# KiCad board Neptune.kicad_pcb (continued)
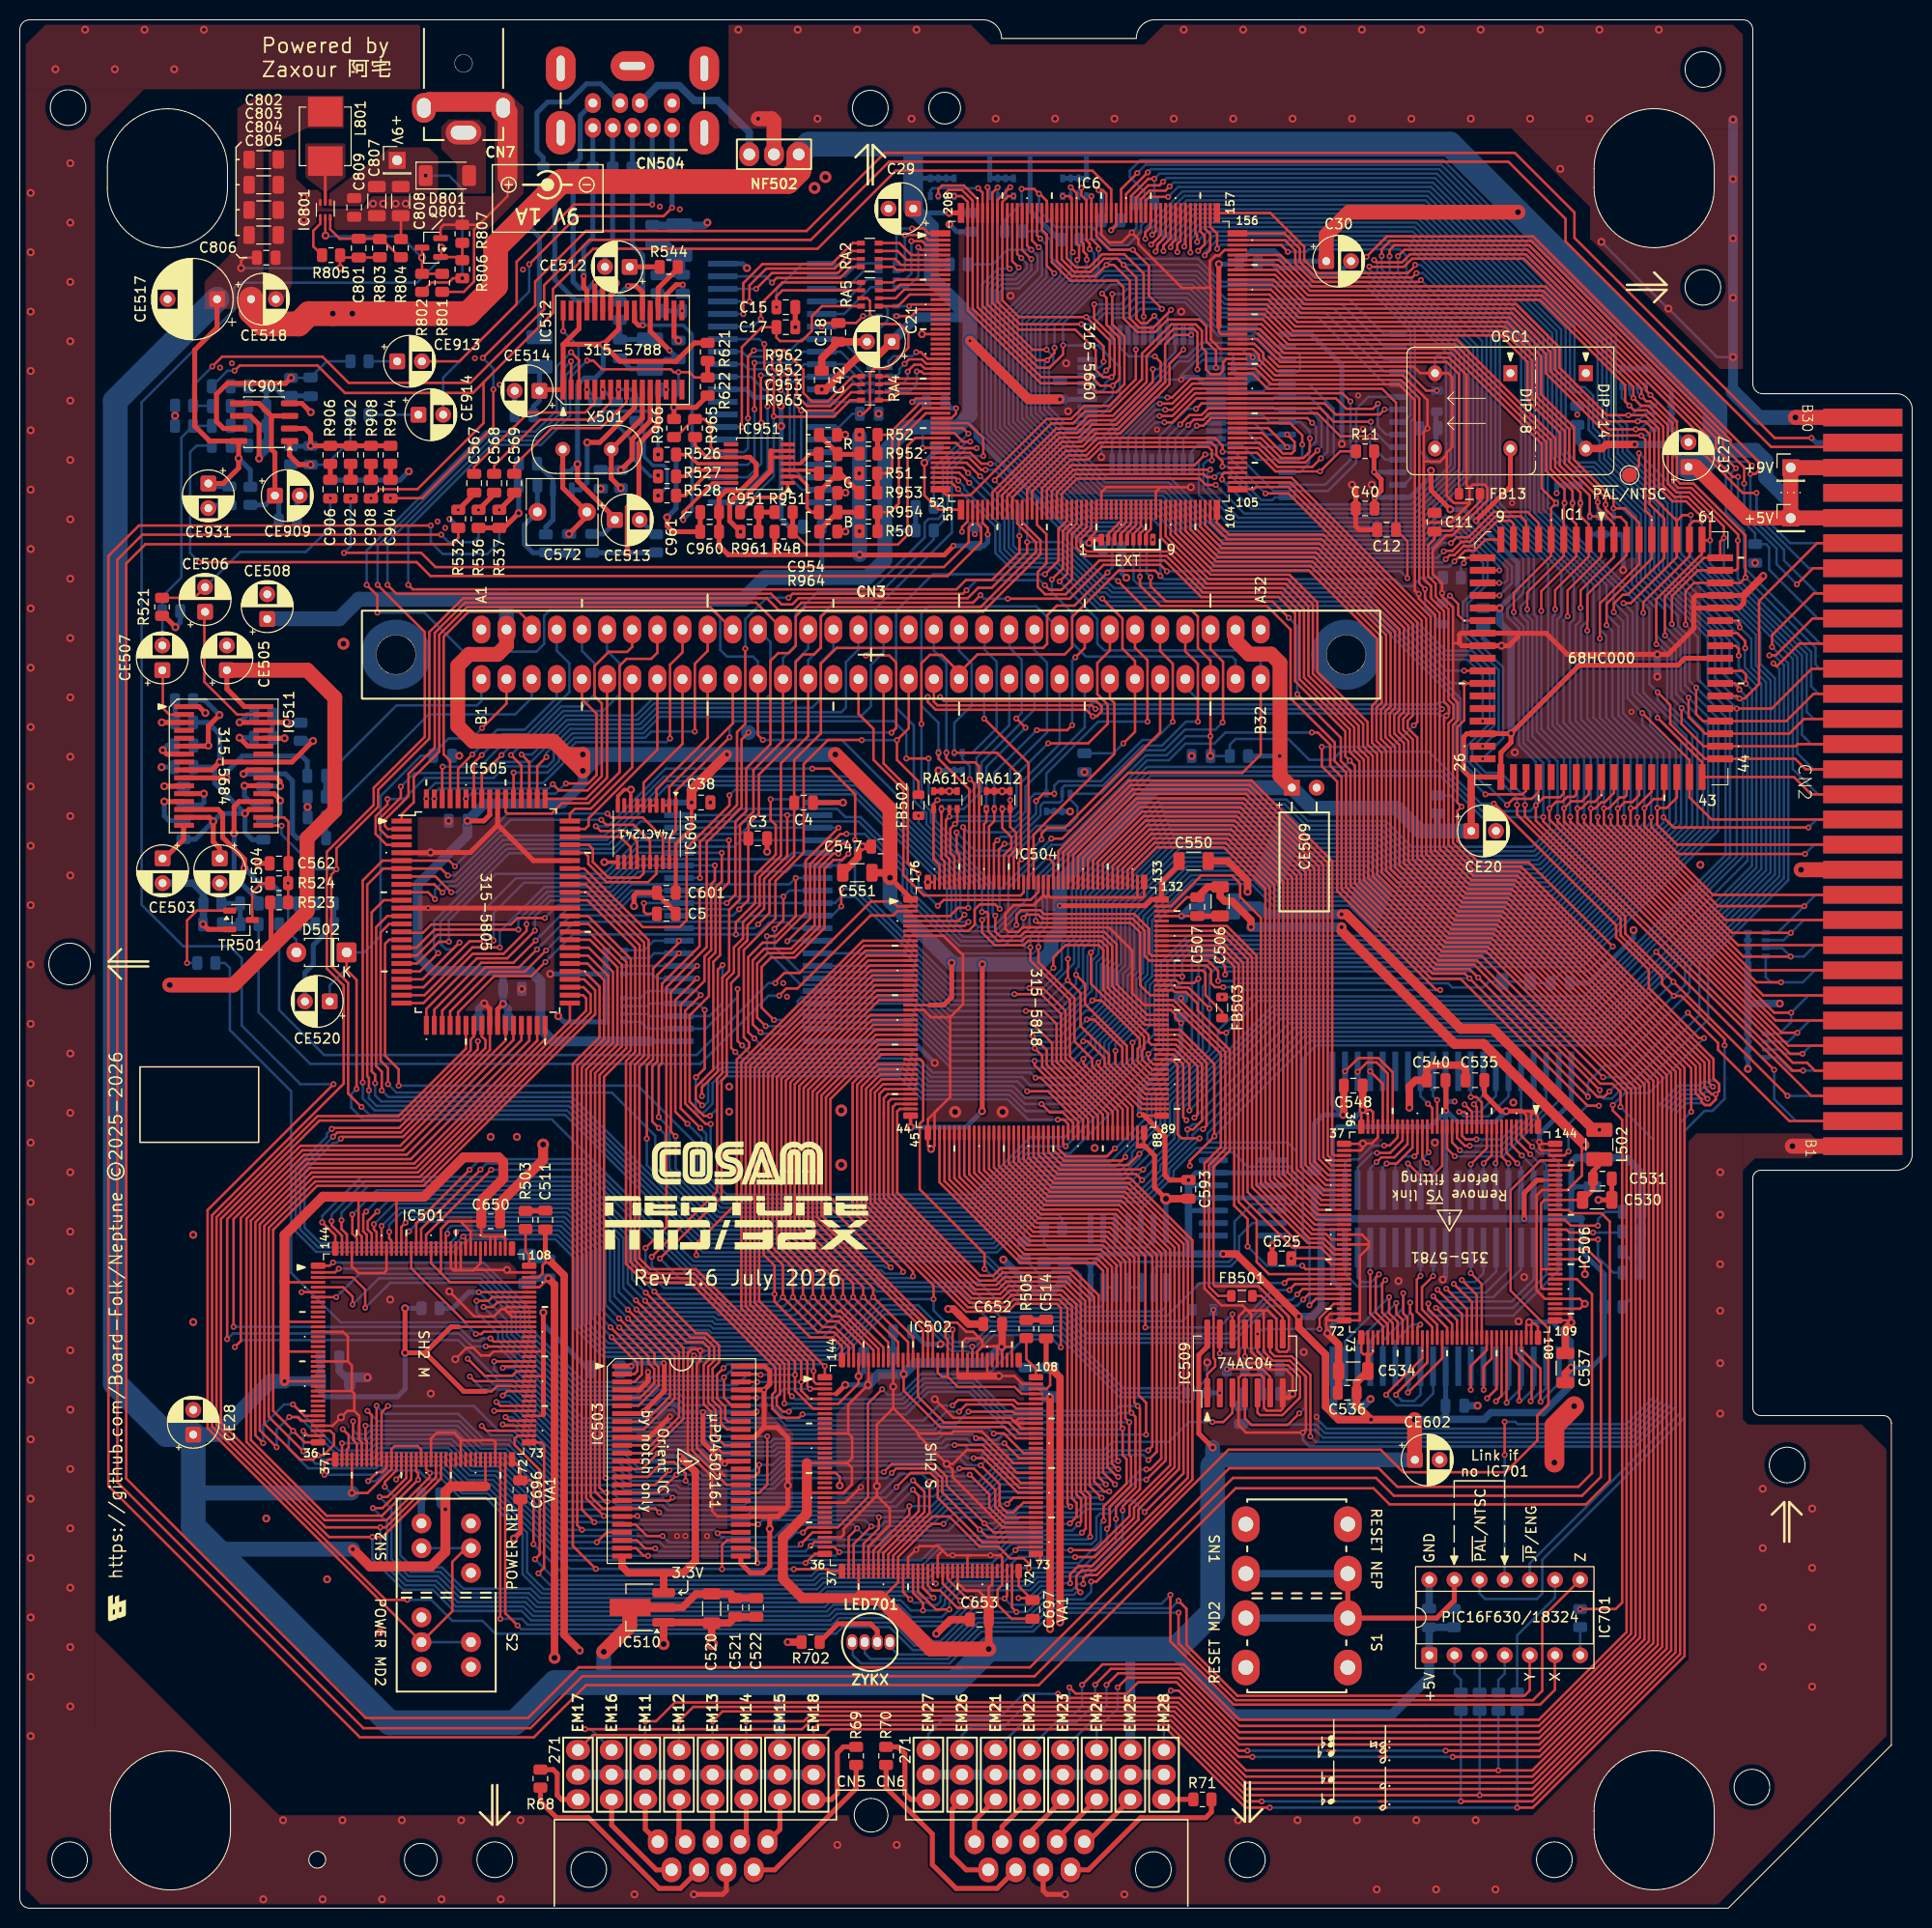
[diagram p0: board, top side]
## Routing (per net, layer and track width the routed paths; a pad name or vN(x,y) marks a point on that pad's centre or on a via; arc(x,y) is an arc through that point) (continued)
3BP_VIDEO_B: length 6.3
  Top w0.35: IC951.13 69.17,144.73 67.25,142.8 R528.1
3BP_VIDEO_G: length 5.8
  Top w0.35: R527.1 67.4,144.75 68.03,145.38 IC951.12
3BP_VIDEO_R: length 5.9
  Top w0.35: IC951.11 68.47,146.03 67.55,146.95 R526.1
/32X Main 2/ED0: length 11.7
  Top w0.25: v1(153.65,51.2) 153.64,51.21 153.64,54.56 151.71,56.49 IC506.105
  Bottom w0.25: v1(153.65,51.2) 155.49,53.05 IC508.2
/32X Main 2/ED1: length 11.5
  Top w0.25: v1(152.65,51.25) 152.75,51.35 152.75,54.6 151.21,56.14 IC506.104
  Bottom w0.25: v1(152.65,51.25) 153.6,52.2 153.85,52.2 154.22,52.58 IC508.3
/32X Main 2/ED2: length 11
  Top w0.25: v1(151.5,51.3) 151.5,54.85 150.71,55.64 IC506.103
  Bottom w0.25: v1(151.5,51.3) 151.75,51.3 152.96,52.5 IC508.4
/32X Main 2/ED3: length 10.9
  Top w0.25: IC506.102 150.21,51.11 v1(150.22,51.1)
  Bottom w0.25: 151.68,54.8 151.68,52.56 v1(150.22,51.1)
/32X Main 2/ED4: length 10.7
  Top w0.25: v1(149.15,51.25) 149.71,51.81 IC506.101
  Bottom w0.25: v1(149.15,51.25) 150.41,52.52 IC508.6
/32X Main 2/ED5: length 10.2
  Top w0.25: v1(148.25,51.55) 149.21,52.51 IC506.100
  Bottom w0.25: v1(148.25,51.55) 149.15,52.44 IC508.7
/32X Main 2/ED6: length 8
  Top w0.25: v1(147.9,52.4) 147.9,54.75 148.71,55.56 IC506.99
  Bottom w0.25: IC508.8 147.9,54.78 v1(147.9,52.4)
/32X Main 2/ED7: length 8.4
  Top w0.25: v1(146.6,52.4) 146.6,54.8 148.21,56.41 IC506.98
  Bottom w0.25: IC508.9 146.6,54.8 v1(146.6,52.4)
/32X Main 2/ED8: length 9.6
  Top w0.25: v1(146.6,64.2) 147.71,63.09 IC506.97
  Bottom w0.25: v1(146.6,64.2) 146.6,64.6 146.6,64.61 IC508.32
/32X Main 2/ED9: length 11.7
  Top w0.25: v1(145.7,63.5) 147.21,61.99 IC506.96
  Bottom w0.25: v1(145.7,63.5) 145.9,63.3 147,63.3 147.87,64.18 IC508.33
/32X Main 2/ED10: length 13.8
  Top w0.25: IC506.95 146.71,61.29 v1(144.89,63.11)
  Bottom w0.25: IC508.34 149.15,64.34 147.47,62.68 145.33,62.68 v1(144.89,63.11)
/32X Main 2/ED11: length 15.5
  Top w0.25: IC506.94 146.21,60.54 v1(144.13,62.63)
  Bottom w0.25: v1(144.13,62.63) 144.53,62.22 148.12,62.22 150.41,64.52 IC508.35
/32X Main 2/ED12: length 18
  Top w0.25: IC506.93 145.71,60.05 v1(143.24,62.52)
  Bottom w0.25: 151.68,66.8 151.68,64.59 148.87,61.78 143.99,61.78 v1(143.24,62.52)
/32X Main 2/ED13: length 19.7
  Top w0.25: IC506.92 145.21,59.44 v1(142.81,61.85)
  Bottom w0.25: IC508.37 152.96,63.56 150.72,61.33 143.33,61.33 v1(142.81,61.85)
/32X Main 2/ED14: length 19
  Top w0.25: v1(143.09,60.69) 144.71,59.06 IC506.91
  Bottom w0.25: v1(143.09,60.69) 150.89,60.69 154.22,64.03 IC508.38
/32X Main 2/ED15: length 22.6
  Top w0.25: IC506.90 144.21,58.67 142.31,60.57 v1(142.31,61.12)
  Bottom w0.25: IC508.39 155.49,64.5 150.9,59.9 142.8,59.9 142.31,60.39 v1(142.31,61.12)
/32X Main 2/OD0: length 8.6
  Top w0.25: IC506.4 151.71,78.09 v1(152.81,76.99)
  Bottom w0.25: IC507.2 155.49,75.33 154.53,76.29 153.51,76.29 v1(152.81,76.99)
/32X Main 2/OD1: length 8
  Top w0.25: v1(152.62,76.21) 151.21,77.61 IC506.5
  Bottom w0.25: IC507.3 154.22,75.12 153.86,75.48 153.35,75.48 v1(152.62,76.21)
/32X Main 2/OD2: length 7.3
  Top w0.25: v1(151.76,76.09) 150.71,77.14 IC506.6
  Bottom w0.25: IC507.4 152.95,74.9 v1(151.76,76.09)
/32X Main 2/OD3: length 7
  Top w0.25: v1(151.3,75.3) 150.21,76.39 IC506.7
  Bottom w0.25: v1(151.3,75.3) 151.68,74.92 IC507.5
/32X Main 2/OD4: length 6.7
  Top w0.25: IC506.8 149.71,75.99 v1(150.4,75.3)
  Bottom w0.25: IC507.6 150.41,75.29 v1(150.4,75.3)
/32X Main 2/OD5: length 6.5
  Top w0.25: v1(149.1,75.3) 149.21,75.41 IC506.9
  Bottom w0.25: IC507.7 149.14,75.26 v1(149.1,75.3)
/32X Main 2/OD6: length 6.8
  Top w0.25: v1(147.9,75.3) 148.71,76.11 IC506.10
  Bottom w0.25: IC507.8 147.87,75.27 v1(147.9,75.3)
/32X Main 2/OD7: length 7.1
  Top w0.25: v1(146.6,75.2) 148.21,76.81 IC506.11
  Bottom w0.25: IC507.9 v1(146.6,75.2)
/32X Main 2/OD8: length 6.4
  Top w0.25: IC506.12 147.71,81.46 147.17,82 v1(146.6,82)
  Bottom w0.25: v1(146.6,82) IC507.32
/32X Main 2/OD9: length 6.1
  Top w0.25: IC506.13 147.21,80.97 v1(146.91,81.27)
  Bottom w0.25: IC507.33 147.87,82.22 v1(146.91,81.27)
/32X Main 2/OD10: length 9.2
  Top w0.25: v1(145.97,81.25) 146.71,80.51 IC506.14
  Bottom w0.25: v1(145.97,81.25) 146.72,80.5 147.53,80.5 149.14,82.12 IC507.34
/32X Main 2/OD11: length 10.7
  Top w0.25: v1(145.42,80.5) 145.95,80.5 146.21,80.24 IC506.15
  Bottom w0.25: v1(145.42,80.5) 145.87,80.05 148.4,80.05 150.41,82.06 IC507.35
/32X Main 2/OD12: length 12.7
  Top w0.25: v1(147.18,77.72) 146.08,77.72 145.71,78.09 IC506.16
  Bottom w0.25: IC507.36 151.68,79.74 149.66,77.72 v1(147.18,77.72)
/32X Main 2/OD13: length 14.8
  Top w0.25: IC506.17 145.21,77.86 146,77.08 v1(146.5,77.08)
  Bottom w0.25: v1(146.5,77.08) 149.65,77.08 152.95,80.37 IC507.37
/32X Main 2/OD14: length 17
  Top w0.25: IC506.18 144.71,77.41 v1(145.5,76.62)
  Bottom w0.25: IC507.38 154.22,81.01 149.66,76.45 145.67,76.45 v1(145.5,76.62)
/32X Main 2/OD15: length 19.1
  Top w0.25: v1(144.98,76.02) 144.21,76.78 IC506.19
  Bottom w0.25: IC507.39 155.49,81.64 149.85,76 145,76 v1(144.98,76.02)
/Misc/~{PWR_EN}: length 218.2
  Top w0.25: 45.58,36.9 43.7,35.02 43.7,30.02 S2.2 40.58,26.91 18.97,48.52 18.97,70.58 v1(31.7,83.3) ; v2(42.6,167.88) 42.6,167 Q801.1 44.39,166.92 R806.2 R807.1
  Bottom w0.25: v2(42.6,167.88) 42.6,166.8 40.12,164.32 22.17,164.32 21.65,163.8 21.65,161.57 12.3,152.23 12.3,101.45 16.5,97.25 21.2,97.25 22.42,96.03 22.42,89.22 28.35,83.3 v1(31.7,83.3) ; S2.2 S2.2 ; SN2.2 SN2.2
AD0: length 26.7
  Top w0.25: v1(73.57,150.62) 73.57,156.88 v1(74.17,157.48)
  Bottom w0.25: v1(74.17,157.48) 77.85,157.48 79,158.62 IC7.7 82.95,158.62 84.65,156.93 85.53,156.93 85.97,156.48 RA6.4 ; IC7.25 73.16,147.19 73.57,147.6 v1(73.57,150.62)
AD1: length 26.3
  Top w0.25: v1(74.22,151.53) v1(74.22,156.23)
  Bottom w0.25: IC7.24 73.56,145.92 74.22,146.59 v1(74.22,151.53) ; v1(74.22,156.23) 78.03,156.23 79.15,157.35 IC7.8 82.95,157.35 85.35,154.95 RA6.3
AD2: length 25.8
  Top w0.25: v1(74.92,150.18) 74.88,150.23 v1(74.88,154.95)
  Bottom w0.25: v1(74.88,154.95) 78.1,154.95 79.23,156.08 IC7.9 83.32,156.08 85.25,154.15 RA6.2 ; IC7.23 73.53,144.65 74.92,146.04 v1(74.92,150.18)
AD3: length 25.5
  Top w0.25: v1(75.55,151.82) v1(75.55,154.28)
  Bottom w0.25: v1(75.55,151.82) 75.55,145.37 73.56,143.38 IC7.22 ; v1(75.55,154.28) 75.59,154.31 78.69,154.31 79.19,154.81 IC7.10 83.72,154.81 85.17,153.35 RA6.1
AD4: length 37.1
  Top w0.25: RA4.1 84.17,154.85 81.62,152.3 80.05,152.3 79.17,153.18 79.17,155.53 77.2,157.5 76.38,157.5 76,157.12 76,155.7 76.87,154.83 v1(76.87,153.48)
  Bottom w0.25: IC7.19 79.04,143.38 77.8,144.62 77.8,152.55 v1(76.87,153.48) 75.2,153.48 73.86,154.81 IC7.31
AD5: length 28.4
  Top w0.25: v1(77.75,155.57) 78.5,154.82 v1(78.5,152.9) 79.55,151.85 81.88,151.85 84.07,154.05 RA4.2
  Bottom w0.25: v1(78.5,152.9) 78.25,152.65 78.25,145.45 79.05,144.65 IC7.18 ; v1(77.75,155.57) 73.6,155.57 73.09,156.08 IC7.32
AD6: length 26.6
  Top w0.25: v1(76.85,156.85) 76.85,155.57 77.6,154.82 77.6,152.75 v1(78.95,151.4) 82.15,151.4 84,153.25 RA4.3
  Bottom w0.25: v1(76.85,156.85) 73.47,156.85 72.97,157.35 IC7.33 ; IC7.17 79.23,145.92 78.95,146.2 v1(78.95,151.4)
AD7: length 34
  Top w0.25: RA4.4 83.9,152.45 82.22,150.78 76.22,150.78 v1(76.17,150.82) 76.17,154.7 75.22,155.65 v1(75.22,158.12)
  Bottom w0.25: IC7.21 73.53,142.11 76.17,144.75 v1(76.17,150.82) ; IC7.34 74.72,158.62 v1(75.22,158.12)
BFP: length 322.1
  Top w0.25: v1(36.15,133.78) 40.92,129 40.92,118.43 35.75,113.26 35.75,111.53 31.03,106.8 31.03,94.97 32.72,93.28 32.72,83.35 19.42,70.05 19.42,48.7 36.95,31.18 v1(39.15,31.18) ; 155.12,75.6 153.65,75.6 150.62,72.58 150.62,62.43 154.45,58.61 154.45,50.93 153.33,49.8 153.33,47.28 150.12,44.08 139.78,44.08 137.5,46.35 122.12,46.35 108.79,33.02 v1(108.25,33.02) ; v1(55.7,156.38) 55.7,156.38 IC512.2
  Bottom w0.25: v1(39.15,31.18) 41.57,31.18 43.7,29.05 46.75,29.05 48.05,27.75 82.47,27.75 83.14,28.43 87.89,28.43 90.22,26.1 93.39,26.1 96.62,29.33 101.82,29.33 103.72,31.22 107.5,31.22 108.25,31.97 v1(108.25,33.02) ; v1(36.15,133.78) 36.15,137.71 47.26,148.82 52.29,148.82 54.7,151.24 54.7,155.38 v1(55.7,156.38)
CTA1: length 68.6
  Top w0.25: IC505.4 37.06,107.5 35.95,108.6 35.95,110.38 37.16,111.58 v1(37.16,112.12)
  Bottom w0.25: v1(37.16,112.12) 38.79,112.12 40.93,114.26 47.87,114.26 49.03,115.43 53.31,115.43 53.95,116.07 53.95,116.91 55.82,118.78 63,118.78 64.67,120.45 84.95,120.45 86,121.5 86,125.7 87.28,126.98 CN3.a17
CTA2: length 61.3
  Top w0.25: IC505.3 37.16,108.3 36.41,109.05 36.41,110.19 38.5,112.28 v1(38.5,113.38)
  Bottom w0.25: v1(38.5,113.38) 39.88,114.75 47.12,114.75 48.25,115.88 51.65,115.88 55.45,119.68 62.62,119.68 64.3,121.35 80.05,121.35 80.92,122.22 80.92,125.92 82.2,127.2 CN3.a15
CTA3: length 61
  Top w0.25: IC505.2 37.18,109.1 36.88,109.4 36.88,110.03 39.28,112.42 39.28,114.68 41.92,117.33 41.92,128.92 44.98,131.98 74.4,131.98 CN3.a13
CTA4: length 52.2
  Top w0.25: CN3.a11 69.77,131.53 45.16,131.53 42.38,128.74 42.38,116.91 39.8,114.34 39.8,111.8 38.58,110.58 IC505.1
CTA5: length 39.6
  Top w0.25: v1(65.7,118.25) 65.7,125.7 66.96,126.96 CN3.a9
  Bottom w0.25: v1(65.7,118.25) 65.32,117.88 56.19,117.88 55,116.68 55,115.85 52.9,113.75 41.98,113.75 41.08,112.85 v1(41.08,112.15)
CTA6: length 36.5
  Top w0.25: CN3.a7 61.88,127.51 61.36,127 59.5,127 58.07,125.57 58.07,122.52 58.8,121.79 58.8,114.43 57.37,113 54.48,113 v1(53.85,113.62)
  Bottom w0.25: v1(53.85,113.62) 53.43,113.2 42.38,113.2 41.88,112.7 v1(41.88,112.15)
CTA7: length 28.7
  Top w0.25: v1(42.72,115.4) 42.68,115.36 IC505.78
  Bottom w0.25: v1(42.72,115.4) 46.5,115.4 49.33,118.23 51.46,118.23 54.7,121.48 56.84,121.48 58.06,122.7 58.06,125.84 56.8,127.1 CN3.a5
CTA8: length 27.7
  Top w0.25: CN3.a3 51.72,129.78 50.42,131.07 45.35,131.07 42.82,128.55 42.82,116.65 43.48,116 IC505.77
CTA9: length 17.9
  Top w0.25: IC505.76 44.28,115.18 v1(45.72,116.62)
  Bottom w0.25: v1(45.72,116.62) 48.23,119.13 51.01,119.13 54.26,122.38 CN3.b4
CTA10: length 24.5
  Top w0.25: v1(55.18,113.7) 57.43,113.7 58.27,114.54 58.27,120.75 56.8,122.22 CN3.b5
  Bottom w0.25: 55.16,113.7 54.13,112.68 45.6,112.68 v1(45.08,112.15)
CTA11: length 23.1
  Top w0.25: IC505.74 45.88,115.78 v1(46.67,116.58)
  Bottom w0.25: v1(46.67,116.58) 48.78,118.68 51.27,118.68 55.53,122.94 55.53,125.84 54.26,127.12 CN3.a4
CTA12: length 26.8
  Top w0.25: IC505.73 46.68,114.58 v1(48.67,116.58)
  Bottom w0.25: CN3.a6 59.34,127.11 60.62,125.83 60.62,122.72 58.92,121.03 54.89,121.03 51.64,117.78 49.88,117.78 v1(48.67,116.58)
CTA13: length 32.1
  Top w0.25: CN3.a8 64.42,126.92 63.8,126.3 61.3,126.3 60.6,125.6 60.6,114.83 57.47,111.7 54.78,111.7 53.74,110.66 49.26,110.66 49.08,110.84 IC505.70
CTA14: length 34
  Top w0.25: IC505.69 49.89,112.16 v1(49.89,114.8) ; v1(68.2,118.95) 68.2,125.8 69.5,127.1 CN3.a10
  Bottom w0.25: v1(49.89,114.8) 53.32,114.8 54.48,115.96 54.48,116.8 56.01,118.33 63.18,118.33 63.81,118.95 v1(68.2,118.95)
CTA15: length 40.7
  Top w0.25: IC505.68 50.68,115.52 v1(49.62,116.58)
  Bottom w0.25: CN3.a12 75.85,127.99 75.85,122.75 75.35,122.25 63.92,122.25 62.25,120.58 55.07,120.58 51.83,117.33 50.38,117.33 v1(49.62,116.58)
CTA16: length 42.3
  Top w0.25: v1(50.7,116.63) 51.48,115.85 IC505.67
  Bottom w0.25: v1(50.7,116.63) 51.76,116.63 55.26,120.12 62.44,120.12 64.11,121.8 77.82,121.8 78.38,122.36 78.38,126.06 79.66,127.33 CN3.a14
CTA17: length 45.6
  Top w0.25: IC505.66 52.28,115.45 v1(53.2,116.38)
  Bottom w0.25: CN3.a16 84.74,127.24 83.47,125.97 83.47,121.37 83,120.9 64.48,120.9 62.81,119.23 55.63,119.23 53.2,116.8 v1(53.2,116.38)
CTA18: length 17.1
  Top w0.25: IC505.65 57.21,112.15 59.34,114.28 CN3.b6
CTA19: length 17.9
  Top w0.25: IC505.64 55.58,110.65 56.08,111.15 57.7,111.15 61.88,115.33 CN3.b7
CTA20: length 19.7
  Top w0.25: CN3.b8 64.42,117.13 57.47,110.18 57.47,109.45 57.12,109.1 IC505.63
CTA21: length 8.1
  Top w0.25: IC601.13 61.72,107.25 60.67,108.3 IC505.62
CTA22: length 10.9
  Top w0.25: IC505.61 57.48,107.5 57.9,107.08 57.9,105.76 59.48,104.18 62.6,104.18 63.03,104.6 IC601.15
CTA23: length 12
  Top w0.25: IC601.17 64.32,104.58 63.47,103.72 59.28,103.72 57.44,105.57 57.44,106.34 57.08,106.7 IC505.60
CTD0: length 32.4
  Top w0.25: 100.42,103.72 100.42,106.18 101.15,106.91 101.15,114.39 98.73,116.81 v1(94.42,116.81)
  Bottom w0.25: CN3.a20 94.9,127.1 96.17,125.83 96.17,121.57 94.42,119.82 v1(94.42,116.81)
CTD1: length 29.1
  Top w0.25: 99.92,103.72 99.92,106.32 100.66,107.05 100.66,108.72 100.07,109.31 v1(100.07,112.02) 100.07,111.13 RA612.4
  Bottom w0.25: v1(100.07,112.02) 100.07,115.14 103.79,118.86 103.79,125.91 102.5,127.2 102.5,129.24 CN3.a23
CTD2: length 34.7
  Top w0.25: CN3.a26 110.14,127.15 108.87,125.88 108.87,122.73 109.92,121.68 109.92,119.73 107.95,117.76 v1(103.9,117.76) ; 99.42,103.72 99.42,106.45 100.18,107.21 100.18,108.29 99.26,109.21 99.26,111.11 v1(99.27,111.12) RA612.3
  Bottom w0.25: v1(99.27,111.12) 100.41,111.12 100.7,111.42 100.7,114.57 v1(103.9,117.76)
CTD3: length 39.9
  Top w0.25: 98.92,103.72 98.92,107.04 v1(99.49,107.6) ; v1(119.03,119.95) 119.03,125.8 117.76,127.07 CN3.a29
  Bottom w0.25: v1(119.03,119.95) 117.83,119.95 115.41,117.53 113.49,117.53 109.44,113.48 105.56,113.48 105.32,113.24 RA601.3 105.32,112.02 105.08,111.78 103.44,111.78 103.13,111.47 103.13,110.47 100.26,107.6 v1(99.49,107.6)
CTD4: length 38.1
  Top w0.25: v1(104.52,112.67) 103.43,112.67 v1(102.68,111.92) ; CN3.a28 115.22,127.08 116.49,125.81 v1(116.49,119.94) ; v1(98.77,107.95) 98.42,107.61 98.42,103.72
  Bottom w0.25: v1(98.77,107.95) 99.13,108.31 100.33,108.31 102.68,110.66 v1(102.68,111.92) ; v1(116.49,119.94) 114.64,118.09 113.41,118.09 109.25,113.93 104.98,113.93 104.52,113.47 v1(104.52,112.67)
CTD5: length 31.4
  Top w0.25: 98.47,111.13 v1(98.46,111.12) 98.46,109.89 97.92,109.36 97.92,103.72 ; v1(106.65,126.45) 107.6,127.4 CN3.a25 ; v1(106.33,119.59) 105.83,119.09 v1(102.76,119.09)
  Bottom w0.25: v1(98.46,111.12) 98.46,114.79 v1(102.76,119.09) ; v1(106.65,126.45) 106.33,126.13 v1(106.33,119.59)
CTD6: length 28.4
  Top w0.25: 97.42,103.72 97.42,109.59 97.66,109.82 v1(97.66,111.12) ; v1(101.62,119.34) v1(100.68,120.28)
  Bottom w0.25: CN3.a22 100,129.24 100,127.43 101.23,126.2 101.23,120.82 v1(100.68,120.28) ; v1(101.62,119.34) 97.66,115.38 v1(97.66,111.12)
CTD7: length 28.9
  Top w0.25: v1(93.62,116.81) 93.62,116.23 94.01,115.84 96.53,115.84 96.92,115.45 96.92,103.72
  Bottom w0.25: CN3.a19 92.36,127.13 93.62,125.87 v1(93.62,116.81)
CTD8: length 28.6
  Top w0.25: 96.42,103.72 96.42,113.7 v1(95.98,114.14)
  Bottom w0.25: CN3.a21 97.5,129.2 97.5,127.21 98.7,126.01 98.7,119.27 96.24,116.81 RA602.4 95.22,116.21 95.98,115.45 v1(95.98,114.14)
CTD9: length 44.4
  Top w0.25: 95.92,103.72 95.92,113.11 92.82,116.21 v1(92.82,116.81)
  Bottom w0.25: CN3.a24 102.72,131.6 91.8,131.6 91.09,130.89 91.09,121.57 92.82,119.84 v1(92.82,116.81)
CTD10: length 41
  Top w0.25: v1(113.94,119.95) 113.94,126.16 112.68,127.42 CN3.a27 ; v1(95.3,109.28) 95.42,109.16 95.42,103.72
  Bottom w0.25: v1(113.94,119.95) 108.96,119.95 103.72,114.71 RA601.1 102.55,112.67 102.06,112.18 102.06,110.67 100.16,108.77 95.81,108.77 v1(95.3,109.28)
CTD11: length 50.5
  Top w0.25: v1(94.65,108.75) 94.65,106.84 94.92,106.57 94.92,103.72 ; v1(121.53,119.88) 121.57,119.92 121.57,126.01 120.3,127.28 CN3.a30
  Bottom w0.25: v1(121.53,119.88) 120.8,119.15 117.74,119.15 115.65,117.06 113.65,117.06 109.26,112.67 RA601.4 106.12,112.09 106.85,111.36 106.85,110.26 106.01,109.42 102.72,109.42 100.22,106.92 96.48,106.92 v1(94.65,108.75)
CTD12: length 31.4
  Top w0.25: RA611.4 94.72,109.84 v1(94.49,109.61) 94.02,109.14 94.02,106.7 94.42,106.3 94.42,103.72
  Bottom w0.25: CN3.b25 107.6,119.37 101.6,113.38 101.6,110.85 100.66,109.91 94.78,109.91 v1(94.49,109.61)
CTD13: length 30
  Top w0.25: 93.92,103.72 93.92,106.06 93.57,106.41 93.57,110.01 v1(93.92,110.36) RA611.3
  Bottom w0.25: v1(93.92,110.36) 100.47,110.36 101.16,111.04 101.16,113.78 105.06,117.68 CN3.b24
CTD14: length 25.9
  Top w0.25: v1(93.12,111.12) RA611.2 93.12,106.11 93.42,105.81 93.42,103.72
  Bottom w0.25: CN3.b23 102.52,121.18 97.16,115.83 97.16,112.92 95.37,111.12 v1(93.12,111.12)
CTD15: length 25.5
  Top w0.25: v1(92.72,112.02) 92.32,111.62 RA611.1 92.32,106.06 92.92,105.46 92.92,103.72
  Bottom w0.25: CN3.b22 99.98,119.6 96.67,116.29 96.67,113.39 95.3,112.02 v1(92.72,112.02)
EDCLK: length 157.9
  Top w0.25: v1(171.08,83.04) 170.67,83.44 170.67,85.66 151.51,104.83 147.03,104.83 144.35,107.5 144.35,119.77 144.85,120.27 144.85,121.65 144.35,122.15 144.35,131.31 143.05,132.61 143.05,133.9 142.3,134.65 142.3,137.75 142.93,138.38 C11.1 143.01,139.25 144.57,139.25 147.53,142.21 FB13.2
  Bottom w0.25: R562.1 123.44,48.9 130.99,48.9 131.86,48.03 162.7,48.03 165.94,51.27 165.94,80.88 167.79,82.73 169.87,82.73 170.18,83.04 v1(171.08,83.04)
FC0: length 81.6
  Top w0.25: v1(94.83,144.31) 94.51,144.62 IC6.50 ; 153.46,114.36 153.46,112.83 152.78,112.15 150.91,112.15 v1(150.28,111.52)
  Bottom w0.25: v1(94.83,144.31) 95.42,143.71 95.42,143.46 99.03,139.86 99.03,137.19 100.21,136 104.86,136 109.21,131.65 136.21,131.65 145.58,122.28 145.58,115.98 147.97,113.58 148.23,113.58 v1(150.28,111.52)
FC1: length 79.2
  Top w0.25: v1(148.08,112.6) 151.83,112.6 152.18,112.96 IC1.29 ; IC6.51 94.13,144.12 94.35,143.91 94.35,143.9 v1(94.8,143.45)
  Bottom w0.25: v1(148.08,112.6) 145.12,115.56 145.12,122.09 136.02,131.2 109.02,131.2 104.67,135.55 100.03,135.55 98.57,137 98.57,139.67 v1(94.8,143.45)
FTOB: length 61.8
  Top w0.25: IC501.95 46.88,58.28 46.65,58.05 v1(46.07,58.05)
  Bottom w0.25: R525.2 20.72,95.55 21.22,95.05 21.22,88.78 27.42,82.58 27.42,64.21 32.41,59.22 44.9,59.22 v1(46.07,58.05)
IA14: length 72.9
  Top w0.25: v1(95.65,133.23) 95.3,132.88 78.07,132.88 v1(77.67,132.48) ; v1(68.72,104.15) 68.72,107.78 72.47,111.52 72.47,118.89 73.3,119.73 v1(73.3,127.33) ; 107.28,141.15 107.28,139.84 106.3,138.87 106.3,134.32 105.25,133.28 104.03,133.28 v1(103.57,133.74)
  Bottom w0.25: v1(103.57,133.74) 103.06,134.25 96.67,134.25 v1(95.65,133.23) ; v1(73.3,127.33) 73.3,130.3 75.47,132.48 v1(77.67,132.48) ; v1(68.72,104.15) IC2.34
IOB: length 345.4
  Top w0.25: 155.12,70.6 155.15,70.58 156.47,70.58 156.8,70.25 159.81,70.25 160.65,69.41 160.65,43.24 158.24,40.83 138.4,40.83 136.78,42.45 122.85,42.45 102.95,22.55 57.21,22.55 51.94,17.28 34.37,17.28 8.95,42.69 8.95,136.69 12.04,139.78 v1(41.53,139.78)
  Bottom w0.25: R534.1 48.45,138.1 47.25,136.9 42.72,136.9 41.53,138.1 v1(41.53,139.78)
IOG: length 331.4
  Top w0.25: 155.12,66.6 158.37,66.6 159.75,65.22 159.75,43.61 157.84,41.7 138.83,41.7 137.03,43.5 122.57,43.5 102.53,23.45 56.84,23.45 51.59,18.2 34.72,18.2 9.85,43.07 9.85,136.32 12.38,138.85 v1(42.57,138.85) 42.47,138.85
  Bottom w0.25: R533.1 46.35,138.57 45.86,138.09 43.34,138.09 v1(42.57,138.85)
IOR: length 359.2
  Top w0.25: 56.47,24.35 95.17,24.35 ; 56.47,24.35 95.17,24.35 ; 56.47,24.35 51.34,19.22 34.96,19.22 10.75,43.44 10.75,135.94 12.69,137.88 43.66,137.88 44.3,138.53 R532.1 ; 95.17,24.35 102.07,24.35 122.2,44.47 137.3,44.47 139.17,42.6 157.47,42.6 158.85,43.98 158.85,62.08 157.33,63.6 155.12,63.6
LED_B: length 92.1
  Top w0.25: v1(117.08,29.88) 117.07,29.87 117.07,26.79 122.83,21.03 152.88,21.03 153.83,21.97 153.83,29.38 157.64,33.19
  Bottom w0.25: 84.15,26.9 84.15,25.6 85,24.75 93.95,24.75 97.17,27.97 102.38,27.97 104.28,29.88 v1(117.08,29.88)
LED_G: length 80.9
  Top w0.25: v1(117.07,31.08) 117.88,30.28 117.88,26.62 123.02,21.48 152.03,21.48 152.56,22.01 152.56,25.58
  Bottom w0.25: 85.38,26.9 85.38,25.78 85.95,25.2 93.76,25.2 96.99,28.43 102.19,28.43 104.09,30.33 116.32,30.33 v1(117.07,31.08)
LED_R: length 82
  Top w0.25: v1(116.25,31.68) 116.25,26.97 116.62,26.6 122.64,20.58 153.6,20.58 155.1,22.08 155.1,25.58
  Bottom w0.25: v1(116.25,31.68) 115.35,30.78 103.91,30.78 102.01,28.88 96.8,28.88 93.58,25.65 88.72,25.65 87.85,26.53 87.85,26.9
LPF_BYPASS: length 9.1
  Top w0.25: IC951.9 70.2,147.32 69.82,147.7 69.82,149.82 69.11,150.54 R965.1 68.11,150.54 66.29,148.71 R966.2
MA_SL: length 34.1
  Top w0.25: v1(63.9,172.23) 55.99,172.23 50.2,166.44 50.2,162.15 44.42,156.38 CE913.2
  Bottom w0.5: v1(63.9,172.23) FB511.1
MA_SR: length 37.7
  Top w0.25: v1(65.9,171.9) 65.05,171.05 56.33,171.05 v1(51.47,166.18)
  Bottom w0.25: v1(51.47,166.18) 51.47,163.42 42.78,154.73 CE914.2
  Bottom w0.5: v1(65.9,171.9) FB510.1
MCLK: length 22.4
  Top w0.25: IC6.134 124.75,158.12 125.65,157.22 125.65,156.75 127,155.4 140.11,155.4 142.1,153.41 v1(143.17,153.41)
MOL: length 98.2
  Top w0.25: 96.78,141.15 96.78,139.91 97.12,139.56 97.12,138.07 93.73,134.68 41.49,134.68 40.09,136.07 v1(18.12,136.07)
  Bottom w0.25: v1(18.12,136.07) 17.21,136.99 17.21,147.2 17.86,147.85 C901.1
MOR: length 73.8
  Top w0.25: 96.28,141.15 96.28,139.96 95.88,139.56 95.88,138.09 93.36,135.57 42,135.57 40.55,137.03 32.78,137.03 v1(32.75,137)
  Bottom w0.25: v1(33.42,142.5) 33.42,137.68 v1(32.75,137)
NTSC: length 433.4
  Top w0.25: v1(54.9,159.43) IC512.32 ; v1(97.58,145.4) 97.14,145.4 95.91,146.62 IC6.46 ; v1(172.25,87.23) 172.25,87.84 167.86,92.22 v1(167.12,92.22) 165.94,93.41 165.94,94.15 161.76,98.33 161.76,98.33 161.74,98.35 161.74,100.09 151.62,110.21 151.62,110.22 151.28,110.56 v1(151.28,111.52) ; v1(101.78,138.1) 101.78,137.05 98.2,133.48 96.82,133.48 95.78,132.43 78.67,132.43 78.05,131.8 76.97,131.8 75.9,132.88 38.05,132.88 v1(37.15,133.78) ; IC506.68 130.95,61.6 v1(130.3,60.95) ; TP5.1 163.6,145.83 v1(163.6,147.08)
  Bottom w0.25: 147.48,33.19 147.48,31.84 148.08,31.25 153.28,31.25 153.83,31.8 153.83,35.22 168.2,49.6 168.2,78.58 170.22,80.6 171.03,80.6 172.25,81.83 v1(172.25,87.23) ; v1(37.15,133.78) 37.15,138.08 47.45,148.38 52.47,148.38 55.15,151.05 55.15,154.95 56.45,156.25 56.45,157.88 v1(54.9,159.43) ; v1(130.3,60.95) 130.3,67.4 129.63,68.07 129.63,85.88 130.97,87.22 162.08,87.22 167.08,92.22 v1(167.12,92.22) 168.25,93.35 168.25,95.42 169.41,96.58 169.41,96.58 177.33,104.5 177.33,124.33 175.85,125.81 175.85,128.94 167.84,136.95 167.84,142.84 v1(163.6,147.08) ; v1(97.58,145.4) 98.49,145.4 101.78,142.11 v1(101.78,138.1) 105.3,138.1 109.49,133.91 110.09,133.91 110.55,133.45 137.12,133.45 143.9,126.68 146.5,126.68 148.53,124.65 148.53,119.77 146.22,117.47 146.22,116.04 148.06,114.2 149.3,114.2 151.28,112.22 v1(151.28,111.52)
PA0: length 262.8
  Top w0.25: v1(63.2,18.9) 64.28,18.9 66.18,20.8 117.02,20.8 123.89,13.93 v1(149.39,13.93) 152.81,13.93 165.5,26.62 165.5,83.84 149.46,99.88 144.98,99.88 139.4,105.45 139.4,117.59 138.43,118.56 138.43,120.8 138.95,121.32 138.95,129.07 130.97,137.05 121.24,137.05 118.78,139.52 118.78,141.15
  Bottom w0.25: v1(149.39,13.93) R706.2 ; v1(63.2,18.9) EM11.3
PA1: length 254
  Top w0.25: v1(66.6,18.9) 68.05,20.35 116.83,20.35 123.88,13.31 152.82,13.31 165.95,26.43 165.95,84.02 149.65,100.33 145.16,100.33 139.85,105.64 139.85,117.78 138.88,118.75 138.88,120.61 139.4,121.13 139.4,129.26 131.16,137.5 121.43,137.5 119.28,139.65 119.28,141.15
  Bottom w0.25: v1(66.6,18.9) EM12.3
PA2: length 251.3
  Top w0.25: v1(70,18.9) 71,19.9 116.65,19.9 123.87,12.68 152.83,12.68 166.4,26.25 166.4,84.21 149.84,100.78 145.35,100.78 140.3,105.82 140.3,117.96 139.33,118.94 139.33,120.42 139.85,120.95 139.85,129.44 131.33,137.96 121.6,137.96 119.78,139.79 119.78,141.15
  Bottom w0.25: v1(70,18.9) EM13.3
PA3: length 248.5
  Top w0.25: v1(73.4,18.9) 79.21,18.9 79.76,19.45 116.46,19.45 123.86,12.05 152.84,12.05 166.85,26.06 166.85,84.4 150.02,101.22 145.54,101.22 140.75,106.01 140.75,118.15 139.78,119.12 139.78,120.24 140.3,120.76 140.3,129.63 131.52,138.41 121.97,138.41 120.28,140.11 120.28,141.15
  Bottom w0.25: v1(73.4,18.9) EM14.3
PA4: length 275.2
  Top w0.25: v1(57.1,18.1) 79.05,18.1 79.95,19 116.27,19 123.85,11.43 v1(147.5,11.43) 152.85,11.43 167.3,25.87 167.3,84.58 150.21,101.68 145.72,101.68 141.2,106.2 141.2,118.34 140.23,119.31 140.23,120.05 140.75,120.58 140.75,129.82 131.7,138.87 122.16,138.87 120.95,140.08 IC6.104
  Bottom w0.25: EM16.3 57.7,18.1 v1(57.1,18.1) ; R705.2 147.5,19.96 v1(147.5,11.43)
PA5: length 250.6
  Top w0.25: v1(145.6,10.8) 152.86,10.8 167.75,25.69 167.75,84.77 150.4,102.12 145.91,102.12 141.65,106.38 141.65,130.19 128.17,143.67 124.88,143.67 124.66,143.45 IC6.105 ; v1(125.48,10.8) 123.84,10.8 116.09,18.55 80.62,18.55 v1(80.2,18.12)
  Bottom w0.25: R704.2 v1(145.6,10.8) v1(125.48,10.8) ; v1(80.2,18.12) EM18.3
PA6: length 275.3
  Top w0.25: IC6.106 128.35,144.12 142.1,130.38 142.1,106.57 146.1,102.58 150.58,102.58 168.2,84.96 168.2,25.5 152.87,10.17 v1(151.29,10.17) ; EM17.3 57.9,17.5 81.38,17.5 81.97,18.1 115.9,18.1 123.83,10.17 v1(126.29,10.17)
  Bottom w0.25: v1(126.29,10.17) v1(151.29,10.17) R707.2 151.3,19.96 151.3,19.84
PB0: length 214.6
  Top w0.25: v1(107.32,22.58) 109.4,24.65 117.62,24.65 123.22,19.05 153.48,19.05 162.35,27.92 162.35,82.53 148.16,96.72 143.67,96.72 136.25,104.15 136.25,116.29 135.28,117.26 135.28,119.53 130.2,124.61 130.2,131.59 127.89,133.9 119.94,133.9 115.28,138.56 115.28,141.15
  Bottom w0.25: v1(107.32,22.58) 107.32,20.43 106.42,19.53 102.12,19.53 EM21.3